# Allegro board dspeak-v1_00-0b.brd (continued)
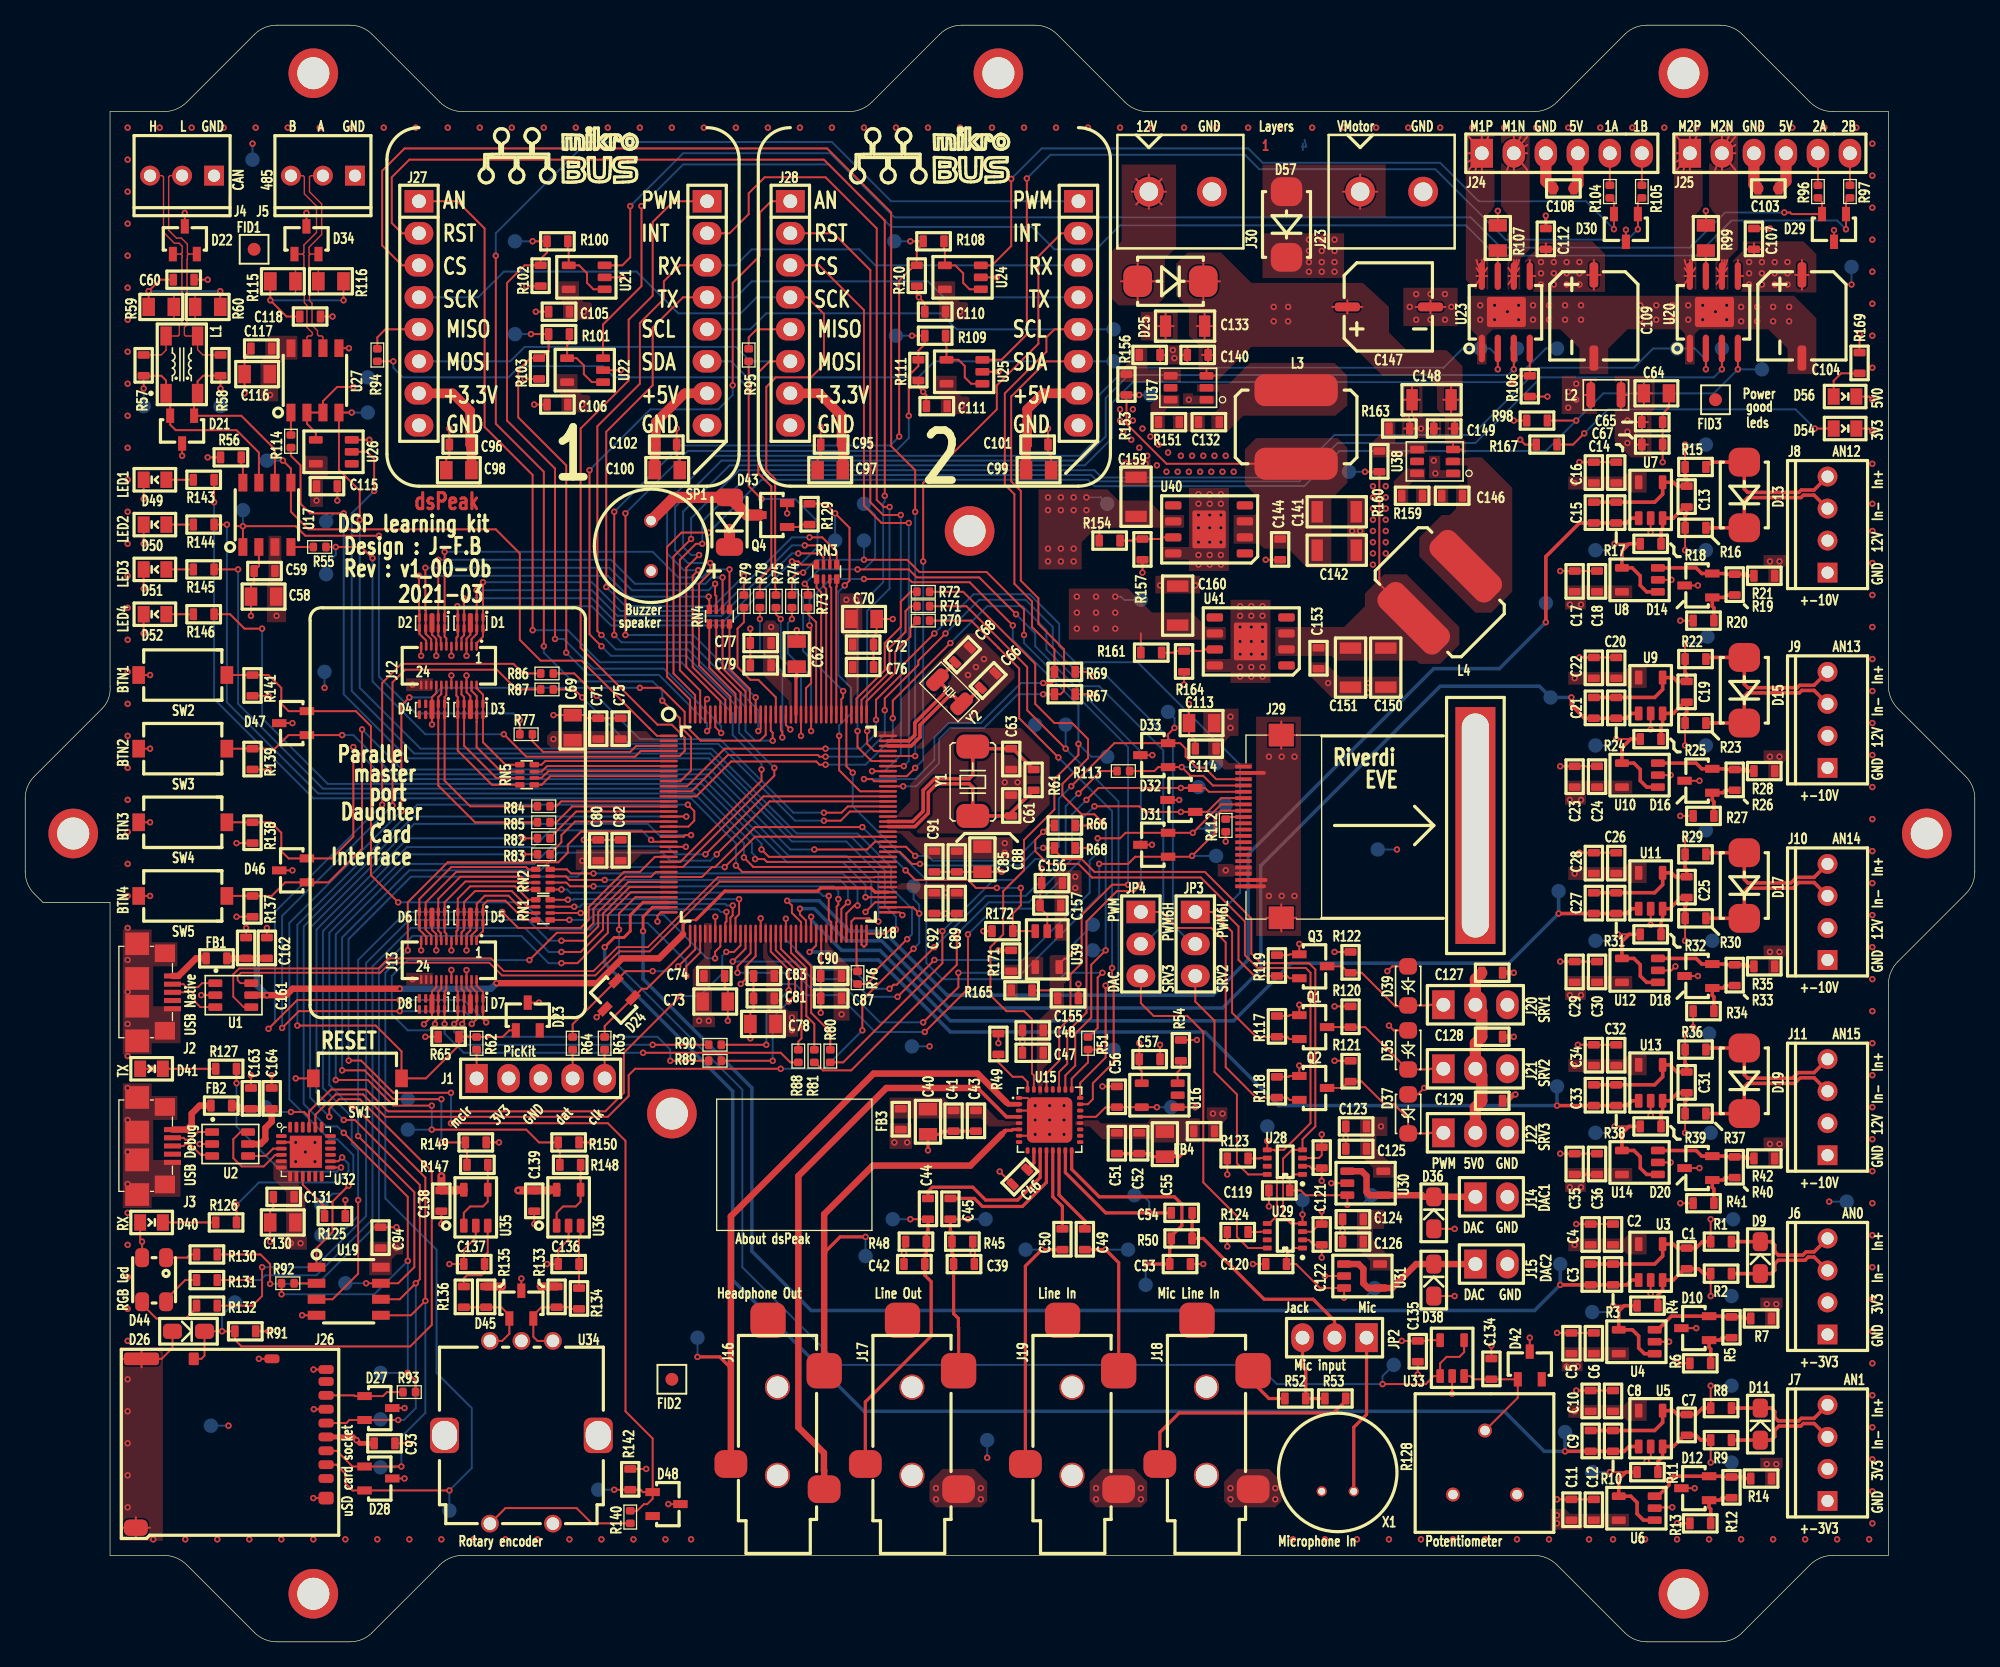
[diagram p0: board, top side]
## Routing (per net, layer and track width the routed paths; a pad name or vN(x,y) marks a point on that pad's centre or on a via; arc(x,y) is an arc through that point) (continued)
  BOTTOM w0.152: v1(59.94,45.47) 63.37,45.47 v1(66.42,48.51) ; v1(70.48,54.99) 70.94,55.44 v1(70.94,57.78) 70.94,58.48 70.48,58.93 TP71.1
USB_NATIVE_5V0: length 61.1
  TOP w0.152: 52.2,56.9 52.58,57.28 53.21,57.28
  TOP w0.254: 53.21,57.28 55.5,59.56 62.87,59.56 63.12,59.82 67.09,59.82 67.43,59.48 U18.77 ; 52.2,56.9 52.2,56.13
  TOP w0.508: U1.5 v1(19.18,51.31) 20.7,51.31 21.21,51.82 v1(29.72,51.82) ; FB1.2 C161.1 v1(18.38,54.23) C162.1 ; v1(37.4,52.26) 45.4,52.26 47.37,54.23 50.29,54.23 52.2,56.13
  BOTTOM w0.508: v1(37.4,52.26) 36.96,51.82 v1(29.72,51.82) ; v1(19.18,51.31) 18.38,52.11 v1(18.38,54.23)
USB_NATIVE_D+: length 4.2
  TOP w0.14: J2.3 12.58,51.53 12.65,51.6 13.17,51.6 13.46,51.31 13.46,50.8 13.9,50.36 U1.3
USB_NATIVE_D+_MCU: length 59.5
  TOP w0.14: U18.80 67.42,60.68 67.39,60.65 54.94,60.65 49.4,55.12 46.99,55.12 45.09,53.21 37.97,53.21 36.96,54.23 28.83,54.23 28.03,53.43 16.98,53.43 16.51,52.96 16.51,51.18 17.33,50.36 U1.4
USB_NATIVE_D-: length 3.6
  TOP w0.14: J2.2 12.56,52.18 12.79,51.94 13.72,51.94 14.03,52.26 U1.1
USB_NATIVE_D-_MCU: length 57.1
  TOP w0.14: U18.79 67.42,60.28 67.39,60.31 55.08,60.31 49.55,54.78 47.13,54.78 45.23,52.87 37.83,52.87 36.81,53.89 28.97,53.89 28.17,53.09 17.12,53.09 16.85,52.82 16.85,52.49 17.08,52.26 U1.6
USB_UART_5V0: length 7.4
  TOP w0.508: FB2.2 16.8,42.54 17.05,42.29 C163.1 C164.1 19.56,41.27 19.05,40.77 19.05,39.88 18.67,39.5 17.68,39.5
USB_UART_D+: length 3.6
  TOP w0.152: U2.3 14.73,38.64 13.92,38.64 13.08,39.49 12.71,39.49 12.57,39.34 J3.3
USB_UART_D+_BRIDGE: length 2.9
  TOP w0.152: U2.4 19.08,38.55 19.67,39.13 U32.3
USB_UART_D-: length 3.5
  TOP w0.152: U2.1 13.69,40.45 13.08,39.84 12.71,39.84 12.57,39.99 J3.2
USB_UART_D-_BRIDGE: length 7.4
  TOP w0.152: U2.6 17.08,40.45 16.51,39.88 16.51,38.38 17.17,37.72 18.93,37.72 19.84,38.63 U32.4
VCAP: length 3.8
  TOP w0.254: U18.123 61.15,76.48 61.21,76.54 C62.1
VM: length 14.8
  TOP w0.152: 120,110.49 C112.1 ; C112.1 120.65,110.01 ; C112.1 120.65,110.97 ; C112.1 121.3,110.49 ; 135.89,109.64 U20.5 136.32,108.37 ; C107.1 137.16,110.97 ; C107.1 136.51,110.49 ; C107.1 137.81,110.49 ; C107.1 137.16,110.01 ; 123.93,108.46 C109.1 ; C109.1 124.99,108.46 ; C109.1 124.46,107.28 ; C109.1 124.46,109.64 ; 140.97,107.28 C104.1 ; C104.1 141.5,108.46 ; C104.1 140.97,109.64 ; C104.1 140.44,108.46 ; 119.38,109.64 U23.5 119.81,108.37
  vias: v1(101.85,111.25) v1(101.85,110.36) v1(101.85,109.47) v1(101.85,108.71) v1(102.87,111.25) v1(102.87,110.36) v1(102.87,109.47) v1(102.87,108.71) v1(103.89,111.25) v1(103.89,110.36) v1(103.89,109.47) v1(103.89,108.71) v1(120.27,109.47) v1(120.27,108.59) v1(120.27,107.7) v1(121.28,109.47) v1(121.28,108.59) v1(121.28,107.7) v1(122.3,109.47) v1(122.3,108.59) v1(122.3,107.7) v1(123.32,109.47) v1(123.32,108.59) v1(123.32,107.7) v1(136.78,109.47) v1(136.78,108.59) v1(136.78,107.7) v1(137.79,109.47) v1(137.79,108.59) v1(137.79,107.7) v1(138.81,109.47) v1(138.81,108.59) v1(138.81,107.7) v1(139.83,109.47) v1(139.83,108.59) v1(139.83,107.7)
VRC_PWM6H_UNBUF: length 11.1
  TOP w0.152: U29.1 100.58,31.24 100.08,30.73 C120.1 100.84,29.97 102.74,28.07 U31.3 v1(104.65,27.3)
  BOTTOM w0.152: TP69.1 106.3,27.3 v1(104.65,27.3)
VRC_PWM6L_UNBUF: length 9.9
  TOP w0.152: U28.1 100.58,37.08 100.33,36.83 C119.1 101.22,35.81 101.6,35.43 104.14,35.43 104.15,35.44 U30.3 v1(104.9,34.67)
  BOTTOM w0.152: v1(104.9,34.67) 106.04,34.67 TP68.1
N816136: length 69
  TOP w0.152: U18.19 52.62,64.68 53.09,65.15 53.09,65.91 v1(52.58,66.42) ; D23.1 38.4,48.51 37.88,47.99 R62.2 35.26,47.99 35.24,48.01 R65.2 34.42,47.33 31.79,44.7 SW1.2 29.86,46.85 27.81,48.89 v1(21.59,48.89)
  BOTTOM w0.152: v1(21.59,48.89) 21.59,56.9 31.12,66.42 v1(52.58,66.42)
N817136: length 11.2
  TOP w0.152: U18.37 52.75,55.25 49.32,51.82 48.94,51.82 D24.1 45.97,48.85 R63.2
N817140: length 14.4
  TOP w0.152: v1(49.78,53.21) 47.65,53.21 D24.2 43.43,49 R64.2 ; U18.38 53.15,54.93 v1(51.81,53.59)
  BOTTOM w0.152: v1(49.78,53.21) 51.44,53.21 v1(51.81,53.59)
N830783: length 4.2
  TOP w0.152: U15.32 79.53,44.42 79.12,44.83 78.36,44.83 77.22,45.97 R49.2
N832376: length 5.7
  TOP w0.152: v1(85.22,46.99) R51.1 84.33,45.97 83.03,44.68 U15.25
  BOTTOM w0.152: v1(85.22,46.99) TP30.1
N832416: length 9.1
  TOP w0.152: U18.109 66.75,74.63 69.02,76.9 69.02,78.55 70.23,79.76 70.23,80.45 70.76,80.98 R70.2
N833767: length 7.5
  TOP w0.152: v1(89.79,42.42) U16.5 C56.1 85.79,42.42 arc(85.73,42.41) 85.68,42.37 85,41.7 arc(84.95,41.66) 84.9,41.65 U15.21
  BOTTOM w0.152: v1(89.79,42.42) TP33.1
N833906: length 12.9
  TOP w0.152: R78.2 v1(58.29,81.15) ; U18.126 59.95,72.33 60.07,72.21 v1(60.07,71.76)
  BOTTOM w0.152: v1(58.29,81.15) 58.29,78.74 60.07,76.96 v1(60.07,71.76)
N834178: length 10.3
  TOP w0.152: R80.2 63.88,48.39 62.36,49.91 62.36,53.59 61.15,54.8 U18.58
N834219: length 10
  TOP w0.152: R81.2 62.61,49.02 61.98,49.66 61.98,53.47 60.75,54.69 U18.57
N834776: length 1.7
  TOP w0.254: U15.10 80.03,37.99 C46.1
N834834: length 12.9
  TOP w0.254: C44.2 71.63,35.73 71.96,36.07 75.18,36.07 76.2,35.05 78.74,35.05 80.53,36.84 U15.11
N834843: length 11.2
  TOP w0.254: U15.12 81.03,38.47 81.03,38.47 81.03,36.45 79.12,34.54 75.95,34.54 75.31,35.18 C45.2
N834852: length 6.5
  TOP w0.254: U15.13 81.53,35.31 82.3,34.54 C50.1
N834861: length 7.1
  TOP w0.254: U15.14 82.03,35.44 84.07,33.4 C49.1
N835069: length 13.7
  TOP w0.254: U15.15 82.53,37.23 85.72,34.04 v1(89.18,34.04) C54.1
  BOTTOM w0.152: TP35.1 88.66,35.43 89.18,34.91 v1(89.18,34.04)
N835079: length 20.1
  TOP w0.152: 90.93,32.18 R50.1
  TOP w0.254: U15.16 83.03,37.49 85.22,35.31 91.19,35.31 91.77,34.72 91.77,33.02 90.93,32.18 ; v1(88.9,29.97) C53.2 90.8,31.2 90.93,31.33 R50.1
  BOTTOM w0.152: v1(88.9,29.97) TP36.1
N835155: length 11.9
  TOP w0.152: U18.3 48.48,71.08 48.01,70.61 41.09,70.61 40.24,71.46 R77.2
N835215: length 10.8
  TOP w0.152: RN5.8 40.97,69.6 41.26,69.88 U18.6
N835239: length 10.8
  TOP w0.152: U18.7 41.41,69.48 40.97,69.05 RN5.7
N835264: length 10.9
  TOP w0.152: RN5.6 40.97,68.55 41.51,69.08 U18.8
N835290: length 10.9
  TOP w0.152: U18.9 41.66,68.68 40.97,68 RN5.5
N835370: length 9.6
  TOP w0.152: R84.2 42.14,66.29 42.53,66.68 U18.14
N835374: length 9.9
  TOP w0.152: R85.2 42.14,65.02 43.4,66.28 U18.15
N835448: length 16.8
  TOP w0.152: v1(54.74,54.23) 54.74,54.75 55.15,55.17 U18.43 ; RN1.1 v1(43.18,57.28)
  BOTTOM w0.152: v1(43.18,57.28) 44.7,57.28 45.09,57.66 50.67,57.66 54.1,54.23 v1(54.74,54.23)
N835458: length 15.9
  TOP w0.152: v1(55.64,57.91) 55.64,57.15 55.55,57.07 U18.44 ; v1(44.07,57.83) RN1.2
  BOTTOM w0.152: v1(55.64,57.91) 55.18,57.91 54.98,58.11 44.81,58.11 44.53,57.83 v1(44.07,57.83)
N835468: length 16.9
  TOP w0.152: v1(56.13,58.42) 56.13,57.65 55.95,57.47 U18.45 ; RN1.3 v1(43.56,58.33)
  BOTTOM w0.152: v1(56.13,58.42) 55.68,58.42 55.55,58.55 44.24,58.55 44.02,58.33 v1(43.56,58.33)
N835472: length 17.9
  TOP w0.152: U18.46 56.35,57.44 56.64,57.72 v1(56.64,58.93) ; RN1.4 v1(43.05,58.88)
  BOTTOM w0.152: v1(56.64,58.93) 43.56,58.93 43.51,58.88 v1(43.05,58.88)
N835588: length 13.7
  TOP w0.152: v1(60.58,51.69) 60.58,53.34 59.15,54.76 U18.53 ; v1(58.8,47.37) R90.2
  BOTTOM w0.152: v1(58.8,47.37) 58.8,49.91 v1(60.58,51.69)
N835695: length 25.4
  TOP w0.152: U18.65 63.95,57.11 63.75,57.31 v1(63.75,59.18) ; v1(42.55,59.69) RN2.1
  BOTTOM w0.152: v1(42.55,59.69) 43,59.69 43.26,59.44 63.04,59.44 63.3,59.18 v1(63.75,59.18)
N835705: length 26.6
  TOP w0.152: U18.66 64.35,57.11 64.38,57.14 64.38,58.34 64.52,58.47 v1(64.52,58.93) ; v1(45.09,59.94) 43.23,59.94 42.93,60.24 RN2.2
  BOTTOM w0.152: v1(45.09,59.94) 64.14,59.94 64.52,59.56 v1(64.52,58.93)
N835715: length 27.9
  TOP w0.152: v1(65.28,58.67) 64.75,58.15 U18.67 ; v1(45.97,60.45) 43.18,60.45 42.89,60.74 RN2.3
  BOTTOM w0.152: v1(45.97,60.45) 64.64,60.45 65.28,59.82 v1(65.28,58.67)
N835719: length 29.1
  TOP w0.152: RN2.4 42.98,61.29 43.3,60.97 v1(45.09,60.97) ; v1(66.04,58.42) 65.79,58.42 65.15,57.79 U18.68
  BOTTOM w0.152: v1(66.04,58.42) 66.04,59.82 64.89,60.97 v1(45.09,60.97)
N835809: length 31.2
  TOP w0.152: v1(63.37,65.15) 64.7,65.15 65.43,65.88 U18.93 ; v1(44.2,74.93) 43.56,75.56 R87.2
  BOTTOM w0.152: v1(44.2,74.93) 47.88,71.25 54.99,71.25 61.09,65.15 v1(63.37,65.15)
N836098: length 10.8
  TOP w0.152: U18.115 64.35,83.71 64.39,83.74 RN3.8
N836108: length 10.8
  TOP w0.152: U18.116 63.95,83.63 63.84,83.74 RN3.7
N836118: length 10.8
  TOP w0.152: RN3.6 63.34,83.74 63.55,83.53 U18.117
N836122: length 10.9
  TOP w0.152: RN3.5 62.79,83.64 63.15,83.28 U18.118
N836194: length 7.9
  TOP w0.152: RN4.8 55.88,77.22 57.5,75.6 57.5,74.57 57.55,74.51 U18.132
N836204: length 7.9
  TOP w0.152: RN4.7 55.33,77.26 57.15,75.43 U18.133
N836214: length 8
  TOP w0.152: U18.134 56.75,75.33 54.83,77.25 RN4.6
N836218: length 8
  TOP w0.152: RN4.5 54.28,77.29 56.35,75.22 U18.135
N838192: length 17.4
  TOP w0.254: 103.89,24.13 103.89,25.48 102.18,27.18 98.3,27.18 93.47,32 R50.2 C54.2
N838411: length 3
  TOP w0.152: R76.2 66.04,53.7 65.95,53.79 U18.70
N839643: length 47.1
  TOP w0.279: 75.56,43.94 77.85,41.65 U15.4
  TOP w0.508: J16.1 63.39,13.59 63.37,13.61 63.37,14.99 61.34,17.02 61.34,36.96 68.33,43.94 75.56,43.94
N839661: length 52.8
  TOP w0.254: v1(53.34,22.61) 55.1,22.61 55.99,21.72
  TOP w0.381: 77.85,42.8 78,42.65 U15.2
  TOP w0.508: 77.85,42.8 75.56,45.08 67.31,45.08 55.99,33.77 J16.3
  BOTTOM w0.152: TP32.1 v1(53.34,22.61)
N839673: length 36
  TOP w0.254: v1(66.67,32.13) 64.66,32.13 63.39,30.86 ; U15.6 78.35,40.65 78.28,40.58 77.79,40.58 77.72,40.51
  TOP w0.381: 77.72,40.51 77.47,40.26
  TOP w0.508: J16.2 63.39,33.93 67.25,37.78 74.99,37.78 77.47,40.26
  BOTTOM w0.152: v1(66.67,32.13) TP34.1
N840038: length 24.7
  TOP w0.152: C44.1 v1(70.23,33.53)
  TOP w0.254: C44.1 71.63,32.61 71.5,32.48 R48.2 71.5,30.83 71.37,30.7 C42.1 71.37,29.08 71.88,28.57 71.88,24.26 66.66,19.03 J17.3
  BOTTOM w0.152: v1(70.23,33.53) TP37.1
N840050: length 15.1
  TOP w0.152: C45.1 v1(74.8,33.53)
  TOP w0.254: J17.2 74.06,24.94 74.04,24.96 74.04,25.65 73.66,26.04 C39.1 73.66,30.7 73.53,30.83 R45.2 73.53,32.48 73.41,32.61 C45.1
  BOTTOM w0.152: v1(74.8,33.53) TP38.1
N840869: length 12.6
  TOP w0.254: X1.1 105.41,17.02 106.43,18.03 JP2.1
N841249: length 12
  TOP w0.152: U18.120 v1(62.35,72.27) ; v1(60.83,81.15) R74.2
  BOTTOM w0.152: v1(62.35,72.27) 62.35,76.58 60.51,78.43 60.51,80.83 v1(60.83,81.15)
N841340: length 8.7
  TOP w0.152: U18.119 62.75,80.9 62.1,81.55 R73.2
N841348: length 12.7
  TOP w0.152: R75.2 59.56,81.53 v1(59.94,81.15) ; U18.122 v1(61.55,71.88)
  BOTTOM w0.152: v1(59.94,81.15) 59.94,78.11 61.55,76.49 v1(61.55,71.88)
N841430: length 2.3
  TOP w0.152: J1.1 R62.1
N841434: length 2.3
  TOP w0.152: 43.43,44.7 R64.1
N841452: length 2.3
  TOP w0.152: 45.97,44.7 R63.1
N841543: length 10.3
  TOP w0.152: U18.16 43.72,65.88 41.64,63.8 R82.2
N841561: length 10.9
  TOP w0.152: R83.2 41.64,62.53 42.55,63.44 42.55,64.01 43.62,65.08 U18.18
N843121: length 10.3
  TOP w0.152: R79.2 57.02,80.9 56.52,80.39 56.52,77.34 57.53,76.33 58.17,76.33 59.55,74.94 U18.127
N843340: length 12
  TOP w0.152: U18.111 65.95,74.84 68.2,77.09 68.2,79.25 69.47,80.52 69.47,82.53 70.25,83.31 R72.2
N843655: length 10.7
  TOP w0.152: R71.2 70.23,82.17 69.85,81.79 69.85,80.14 68.58,78.87 68.58,76.96 66.35,74.74 U18.110
N852175: length 4.2
  TOP w0.152: D40.1 R126.2
N852179: length 4.2
  TOP w0.152: D41.1 R127.2
N983415: length 2.1
  TOP w0.152: U17.8 17.27,93.17 17.14,93.3 R56.2
N985250: length 11.7
  TOP w0.152: v1(25.26,106.44) R116.2 ; C118.2 20.73,105.16 v1(19.45,106.44) R115.1
  BOTTOM w0.152: v1(19.45,106.44) v1(25.26,106.44)
N985953: length 9
  TOP w0.152: v1(26.03,99.57) 24.75,99.57 23.62,98.44 U27.3 U27.2 22.35,96.65 23.06,95.94 U26.4
  BOTTOM w0.152: TP66.1 26.42,99.57 v1(26.03,99.57)
N986060: length 1.8
  TOP w0.152: U27.1 R114.1
N986622: length 1.5
  TOP w0.152: U28.6 97.99,38.38 97.96,38.35 R123.1
N986732: length 1.5
  TOP w0.152: U29.6 97.99,32.54 97.96,32.51 R124.1
N989120: length 19
  TOP w0.152: JP3.3 92.84,50.8 94.36,49.28 94.36,45.21 96.14,43.43 96.14,37.97 97.03,37.08 U28.8
N994548: length 12.6
  TOP w0.152: J29.4 94.23,67.94 93.47,68.71 92.46,68.71 v1(91.76,69.4) D33.1 89.9,69.4 89.59,69.09 R113.1
  BOTTOM w0.152: v1(91.76,69.4) 93.52,69.4 93.84,69.72 TP99.1
N996104: length 20.5
  TOP w0.152: v1(80.64,31.12) 80.66,31.12
  TOP w0.254: J19.3 79.36,29.82 80.66,31.12 C50.2
  BOTTOM w0.152: v1(80.64,31.12) TP40.1
N996116: length 13.5
  TOP w0.254: J19.2 86.76,30.08 v1(85.72,31.12) C49.2
  BOTTOM w0.152: v1(85.72,31.12) TP39.1
N997070: length 6.2
  TOP w0.152: U35.1 34.8,34.04 35.31,34.54 36.32,34.54 36.7,34.92 U35.4 36.7,36.62 36.7,36.63 R147.2
N997420: length 6.2
  TOP w0.152: U36.1 42.16,34.04 42.67,34.54 43.69,34.54 44.06,34.92 U36.4 44.06,36.62 44.07,36.63 R148.2
N997666: length 16.2
  TOP w0.152: Q1.2 100.32,47.82 100.13,48.01 R117.1 97.66,48.01 95.76,49.91 95.76,56.34 94.18,57.91 JP3.1
N999245: length 12.1
  TOP w0.152: U34.5 38.1,10.61 43.75,10.61 44.96,9.4 R140.1
N999350: length 24.6
  TOP w0.152: JP4.1 90.17,57.91 91.44,56.64 94.11,56.64 95.25,55.5 95.25,45.59 97.66,43.18 R118.1 100.13,43.18 100.32,43 Q2.2
N999500: length 1.5
  TOP w0.152: R112.1 95.42,65.44 J29.9
N999996: length 7.1
  TOP w0.152: R136.2 R135.2 37.78,26.54 38.41,25.91 D45.1 38.41,24.44 37.85,23.88 U34.1
N1000001: length 7.3
  TOP w0.152: R134.1 43.26,26.42 43.14,26.54 R133.2 40.95,26.54 40.31,25.91 D45.2 40.31,24.2 40.64,23.88 U34.3
N1000279: length 28.2
  TOP w0.152: U29.8 97.03,31.24 96.14,32.13 96.14,33.78 93.47,36.45 93.47,48.39 92.2,49.66 89.53,49.66 88.52,50.67 JP4.3
N1002337: length 10.5
  TOP w0.152: R60.2 v1(15.48,107.17) ; C60.1 10.7,108.08 v1(9.8,107.17) R59.1
  BOTTOM w0.152: v1(15.48,107.17) v1(9.8,107.17)
N1002357: length 2.1
  TOP w0.152: D52.2 R146.2
N1002361: length 2.1
  TOP w0.152: D51.2 R145.2
N1002365: length 2.1
  TOP w0.152: D50.2 R144.2
N1002369: length 2.1
  TOP w0.152: D49.2 R143.2
N1003044: length 17.5
  TOP w0.152: U17.6 19.81,94.62 17.14,97.28 D21.1 13.4,98.79 L1.2 13.68,100.01 14.12,100.46 R58.2 v1(15.49,99.44)
  BOTTOM w0.152: 15.49,97.92 TP91.1 v1(15.49,99.44)
N1003048: length 18.3
  TOP w0.152: v1(9.4,99.44) R57.2 10.79,100.46 11.18,100.08 L1.1 11.5,98.73 D21.2 11.5,96.58 11.94,96.14 16.76,96.14 18.54,94.36 U17.7
  BOTTOM w0.152: v1(9.4,99.44) TP90.1
N1003420: length 9.5
  TOP w0.152: R128.2 118.42,19.36 D42.1 C134.1 114.93,20.83 114.67,21.08 U33.3
N1004229: length 2.5
  TOP w0.152: R130.2 13.09,30.73 12.83,30.48 D44.1
N1004356: length 3.2
  TOP w0.152: D44.2 11.18,27.18 12.7,28.7 R131.2
N1004427: length 5.5
  TOP w0.152: D44.3 9.28,26.78 10.4,25.65 12.75,25.65 13.59,26.49 R132.2
N1009461: length 1.9
  TOP w0.152: Q4.1 61.36,88.45 61.55,88.65 R129.1
N1009950: length 9.9
  TOP w0.889: Q4.3 57.28,89.4 D43.2 51.5,90.81 SP1.2
N1011168: length 6.5
  TOP w0.254: JP2.3 101.35,21.84 101.6,21.59 R52.1 R53.1
N1013246: length 1.9
  TOP w0.152: U16.3 91.44,45.21 91.69,45.47 91.69,46.1
N1026188: length 4.3
  TOP w0.152: R154.1 87.84,87.38 87.97,87.5 R157.2 90.1,87.5 90.23,87.63 U40.7
N1029131: length 4.3
  TOP w0.152: R161.1 91.14,78.49 91.27,78.61 R164.2 93.4,78.61 93.53,78.74 U41.7
N1032268: length 23.7
  TOP w0.152: v1(123.7,95.89) 122.81,95 R167.2 ; v1(141.99,96.27) D54.2
  BOTTOM w0.152: v1(123.7,95.89) 125.6,97.79 140.46,97.79 v1(141.99,96.27)
N1032500: length 3.5
  TOP w0.152: R169.2 144.08,100.65 143.49,100.05 D56.2
N1059675: length 6.3
  TOP w0.152: J26.7 26.09,19.55 26.15,19.5 D27.1 28.39,19.5 28.7,19.81 R93.1
N1060155: length 1.8
  TOP w0.152: R92.1 U19.2
N1073763: length 4.5
  TOP w0.152: J28.5 58.04,104.14 57.4,103.51 R95.2
N1073775: length 4.5
  TOP w0.152: R94.2 27.94,103.51 28.57,104.14 J27.5
N1079768: length 1.8
  TOP w0.152: U17.4 R55.1
N1117112: length 31.3
  TOP w0.152: v1(63.37,65.79) 64.77,65.79 65.27,66.28 U18.94 ; v1(45.34,75.06) 43.56,76.84 R86.2
  BOTTOM w0.152: v1(63.37,65.79) 60.96,65.79 55.12,71.63 48.77,71.63 v1(45.34,75.06)
N1117153: length 15.5
  TOP w0.152: v1(59.31,46.1) R89.2 ; U18.54 59.55,54.87 61.09,53.34 61.09,51.31 v1(60.58,50.8)
  BOTTOM w0.152: v1(60.58,50.8) 59.31,49.53 v1(59.31,46.1)
N1117172: length 10
  TOP w0.152: R88.2 61.34,47.62 61.59,47.88 61.59,53.34 59.95,54.98 U18.55
N1291882: length 4.2
  TOP w0.254: 97.3,21.64 J18.2 97.43,20.56 98.68,19.3 R52.2
N1291894: length 18.5
  TOP w0.152: R53.2 104.77,19.13
  TOP w0.254: 104.77,19.13 103.81,18.16 91.57,18.16 90.03,16.62 J18.3
N1403399: length 16.6
  TOP w0.152: J30.1 90.17,114.05 ; J30.1 88.14,114.05 ; J30.1 89.15,116.42 ; J30.1 90.17,116.07 ; J30.1 88.14,116.07 ; J30.1 90.51,115.06 ; J30.1 87.8,115.06 ; J30.1 89.15,113.7 ; 86.94,107.95 D25.2 ; D25.2 88.27,109.37 ; D25.2 89.59,107.95 ; D25.2 88.27,106.53
N1460045: length 4.4
  TOP w0.508: J3.1 12.83,40.64 13.21,41.02 13.21,41.91 13.84,42.54 FB2.1
N1462007: length 3.2
  TOP w0.152: FB1.1 14.22,54.23
  TOP w0.508: 14.22,54.23 13.56,54.23 12.16,52.83 J2.1
N1579889: length 5.4
  TOP w0.152: J23.1 105.92,116.42 ; J23.1 107.28,115.06 ; J23.1 105.92,113.7 ; J23.1 104.56,115.06

## Copper pours and planes (outline as drawn; the poured copper is in the pictures)
12V on TOP: 91.31,106.81 91.31,109.35 92.2,110.24 94.87,110.24 97.28,107.82 106.14,107.82 108.2,105.92 108.2,103.89 109.6,102.49 112.78,102.49 114.05,101.22 114.05,95.5 114.3,95.25 114.3,94.23 112.65,94.23 112.65,97.16 112.01,97.79 112.01,99.57 111.12,100.46 107.7,100.46 105.41,102.74 97.28,102.74 94.61,100.08 93.09,100.08 93.09,102.87 92.33,103.63 92.33,105.79
12V on INNER2: 101.22,106.81 102.49,106.81 103.5,105.79 103.5,104.9 102.36,103.76 101.22,103.76
12V on INNER2: 98.17,106.81 98.17,103.76 101.22,103.76 101.22,106.81
AVDD_3V3 on TOP: 138.3,37.59 139.32,37.59 139.32,38.86 139.7,39.24 139.7,40 137.92,40 137.92,39.24 138.3,38.86
AVDD_3V3 on TOP: 127.25,22.35 127.25,23.37 121.92,23.37 121.92,21.46 123.57,21.46 123.57,22.35
AVDD_3V3 on TOP: 127.51,36.58 127.51,37.59 122.17,37.59 122.17,35.69 123.82,35.69 123.82,36.58
AVDD_3V3 on TOP: 108.33,29.46 108.33,30.48 106.93,31.88 106.93,32.77 107.82,32.77 107.82,34.29 105.66,34.29 105.66,31.24 106.68,30.23 106.68,29.46
AVDD_3V3 on TOP: 127.25,9.14 127.25,10.16 122.55,10.16 122.17,10.54 121.03,10.54 121.03,8.89 123.57,8.89 123.57,9.14
AVDD_3V3 on TOP: 127.25,92.84 128.65,92.84 128.65,91.19 127.13,91.19 126.87,91.44 122.43,91.44 122.43,92.46 126.87,92.46
AVDD_3V3 on TOP: 127.51,51.82 127.51,52.83 122.17,52.83 122.17,50.93 123.82,50.93 123.82,51.82
AVDD_3V3 on TOP: 126.11,100.46 129.29,100.46 129.29,97.79 129.03,97.54 129.03,93.98 127.38,93.98 126.11,95.25
AVDD_3V3 on TOP: 127.25,77.34 128.65,77.34 128.65,75.69 127.13,75.69 126.87,75.95 122.43,75.95 122.43,76.96 126.87,76.96
AVDD_3V3 on TOP: 138.3,83.82 139.32,83.82 139.32,85.09 139.7,85.47 139.7,86.23 137.92,86.23 137.92,85.47 138.3,85.09
AVDD_3V3 on TOP: 127.25,61.85 128.65,61.85 128.65,60.2 127.13,60.2 126.87,60.45 122.43,60.45 122.43,61.47 126.87,61.47
AVDD_3V3 on TOP: 108.58,36.83 108.58,37.72 107.19,39.12 107.19,40.13 108.08,40.13 108.08,41.66 105.92,41.66 105.92,38.61 106.93,37.59 106.93,36.83
AVDD_3V3 on TOP: 138.05,12.19 139.06,12.19 139.06,13.46 139.45,13.84 139.45,14.61 137.67,14.61 137.67,13.84 138.05,13.46
AVDD_3V3 on TOP: 127.25,19.18 128.65,19.18 128.65,17.53 127.13,17.53 126.87,17.78 122.43,17.78 122.43,18.8 126.87,18.8
AVDD_3V3 on TOP: 127.25,46.61 128.65,46.61 128.65,44.96 127.13,44.96 126.87,45.21 122.43,45.21 122.43,46.23 126.87,46.23
AVDD_3V3 on TOP: 53.85,57.02 54.48,57.02 54.48,54.99 54.36,54.86 54.36,51.82 54.48,51.69 54.48,49.78 54.74,49.53 54.74,48.77 52.96,48.77 52.96,53.34 53.85,54.23
AVDD_3V3 on TOP: 138.3,68.33 139.32,68.33 139.32,69.6 139.7,69.98 139.7,70.74 137.92,70.74 137.92,69.98 138.3,69.6
AVDD_3V3 on TOP: 68.58,39.12 70.36,39.12 70.36,41.15 68.58,41.15
AVDD_3V3 on TOP: 127.51,67.31 127.51,68.33 122.17,68.33 122.17,66.42 123.82,66.42 123.82,67.31
AVDD_3V3 on TOP: 127.25,32.38 128.65,32.38 128.65,30.73 127.13,30.73 126.87,30.99 122.43,30.99 122.43,32 126.87,32
AVDD_3V3 on TOP: 127.51,82.8 127.51,83.82 122.17,83.82 122.17,81.92 123.82,81.92 123.82,82.8
AVDD_3V3 on TOP: 138.05,24.89 139.06,24.89 139.06,26.16 139.45,26.54 139.45,27.3 137.67,27.3 137.67,26.54 138.05,26.16
AVDD_3V3 on TOP: 138.3,52.83 139.32,52.83 139.32,54.1 139.7,54.48 139.7,55.24 137.92,55.24 137.92,54.48 138.3,54.1
AVDD_3V3 on INNER2: 52.96,49.91 54.74,49.91 54.74,48.39 59.31,43.81 56.13,43.81 52.96,46.99
AVDD_3V3 on INNER2: 141.35,97.66 141.35,8.76 108.58,8.76 108.58,29.46 67.44,29.46 56.13,40.77 56.13,43.81 71.75,43.81 79.63,35.94 92.2,35.94 97.92,41.66 109.73,41.66 109.73,37.97 121.16,37.97 121.16,54.23 119.63,55.75 119.63,92.71 123.19,92.71 126.11,95.63 126.11,97.66
DGND on TOP: 91.44,105.54 88.52,105.54 88.52,103.25 91.44,103.25
DGND on TOP: 7.75,44.32 10.03,44.32 10.03,43.31 12.06,43.31 12.06,41.4 10.16,41.4 10.16,38.23 12.32,38.23 12.32,35.31 10.03,35.31 10.03,34.42 7.75,34.42
DGND on TOP: 95.63,77.98 95.63,82.68 98.81,82.68 98.81,76.07 95.63,76.07 95.63,76.96 93.47,76.96 93.47,77.98
DGND on TOP: 104.9,90.81 106.3,90.81 106.3,85.47 104.9,85.47
DGND on TOP: 67.56,72.26 68.71,72.26 69.47,73.03 69.47,74.8 74.68,80.01 75.44,80.01 78.49,76.96 78.49,76.45 74.93,72.9 73.28,72.9 71.25,70.87 67.56,70.87
DGND on TOP: 114.43,106.81 140.34,106.81 142.11,105.03 142.11,100.58 139.83,100.58 139.83,102.62 138.3,104.14 132.84,104.14 132.46,103.76 132.46,101.35 131.7,101.35 131.7,103.76 131.32,104.14 127.13,104.14 125.6,102.62 125.6,100.58 123.32,100.58 123.32,102.62 121.79,104.14 116.46,104.14 115.95,103.63 115.95,101.35 115.19,101.35 115.19,103.63 114.43,104.39
DGND on TOP: 89.79,102.87 92.46,102.87 92.46,101.35 89.79,101.35
DGND on TOP: 92.33,86.87 92.33,91.57 95.5,91.57 95.5,84.96 92.33,84.96 92.33,85.85 90.17,85.85 90.17,86.87
DGND on TOP: 7.49,23.37 7.49,8 10.92,8 10.92,23.37
DGND on TOP: 84.45,12.7 85.47,13.72 88.01,13.72 89.03,12.7 89.03,11.18 88.52,10.67 84.96,10.67 84.45,11.18
DGND on TOP: 109.35,107.44 109.35,104.39 113.66,104.39 113.66,107.44
DGND on TOP: 86.99,91.69 86.99,93.85 89.28,93.85 89.28,91.69
DGND on TOP: 89.66,84.58 89.66,83.19 93.22,83.19 93.22,84.58
DGND on TOP: 97.66,73.41 97.66,56.01 101.22,56.01 101.22,73.41
DGND on TOP: 109.22,99.82 110.87,99.82 110.87,97.16 112.39,97.16 112.39,95.5 109.22,95.5
DGND on TOP: 111.38,94.11 112.27,94.11 112.27,92.96 113.92,92.96 113.92,92.33 111.38,92.33
DGND on TOP: 67.82,65.79 69.34,65.79 70.23,66.67 70.23,68.07 71.25,69.09 71.25,70.23 73.53,72.52 78.99,72.52 81.28,70.23 81.28,66.42 78.99,64.14 70.87,64.14 70.23,64.77 67.82,64.77
DGND on TOP: 71.75,12.7 72.77,13.72 75.31,13.72 76.33,12.7 76.33,11.18 75.82,10.67 72.26,10.67 71.75,11.18
DGND on TOP: 101.85,77.72 103.12,77.72 104.27,76.58 109.09,76.58 109.09,74.93 103.63,74.93 101.85,76.71
DGND on TOP: 95.12,12.7 96.14,13.72 98.68,13.72 99.69,12.7 99.69,11.18 99.19,10.67 95.63,10.67 95.12,11.18
DGND on TOP: 7.75,56.51 10.03,56.51 10.03,55.5 12.06,55.5 12.06,53.59 10.16,53.59 10.16,50.42 12.32,50.42 12.32,47.5 10.03,47.5 10.03,46.61 7.75,46.61
DGND on TOP: 91.82,99.06 92.84,99.06 92.84,98.93 94.36,98.93 94.36,98.17 91.82,98.17
DGND on INNER1: 7.37,120.78 7.37,7.49 147.19,7.49 147.19,120.78
DVDD_1V8 on TOP: 80.26,43.43 80.77,43.43 80.77,45.47 81.28,45.97 81.28,49.02 82.42,50.16 82.42,52.2 82.8,52.58 82.8,54.36 82.68,54.48 81.41,54.48 81.28,54.36 81.28,50.16 80.26,49.15
DVDD_3V3 on TOP: 124.71,100.46 121.92,100.46 121.92,97.41 124.71,97.41
DVDD_3V3 on TOP: 93.85,39.62 93.85,41.4 93.73,41.53 93.73,42.42 95.38,42.42 95.38,41.53 94.87,41.02 94.87,39.62
DVDD_3V3 on TOP: 93.47,74.04 96.27,74.04 96.27,71.88 95.63,71.88 95.12,71.37 95.12,70.1 95.5,69.72 97.41,69.72 97.41,69.22 95.12,69.22 94.49,69.85 94.11,69.85 93.85,70.1 93.85,71.63 93.47,72.01
DVDD_3V3 on TOP: 81.66,61.21 83.82,61.21 83.82,59.31 82.68,59.31 82.68,55.63 81.66,55.63
DVDD_3V3 on TOP: 19.43,103.63 21.59,103.63 21.59,101.73 20.45,101.73 20.07,101.35 20.07,98.42 18.67,98.42 18.67,101.6 19.05,101.98 19.05,103.25
DVDD_3V3 on TOP: 20.83,38.35 19.69,38.35 19.69,36.7 20.7,35.69 20.7,32.26 20.57,32.13 20.57,31.12 22.35,31.12 22.35,32.13 22.23,32.26 22.23,35.43 21.72,35.94 21.72,37.46 20.83,37.46
DVDD_3V3 on TOP: 19.3,87.76 20.32,87.76 20.32,84.07 20.7,83.69 20.7,80.9 19.18,80.9 19.18,83.95 19.3,84.07
DVDD_3V3 on TOP: 94.61,61.72 97.41,61.72 97.41,60.71 94.61,60.71
DVDD_3V3 on TOP: 65.41,72.77 65.79,72.77 65.79,75.06 66.17,75.44 66.17,79.88 66.42,80.14 66.42,83.19 64.64,83.19 64.64,80.14 65.15,79.63 65.15,75.95 65.41,75.69
DVDD_3V3 on TOP: 43.69,62.86 51.82,62.86 51.82,62.48 48.9,62.48 47.62,61.21 43.69,61.21
DVDD_3V3 on TOP: 60.58,72.77 60.96,72.77 60.96,75.95 59.82,77.09 59.82,81.03 58.55,81.03 58.55,76.71 60.58,74.68
DVDD_3V3 on TOP: 32.38,76.45 32.38,75.44 30.23,75.44 30.23,76.45
DVDD_3V3 on TOP: 63.37,57.02 63.75,57.02 63.75,55.24 65.41,53.59 65.41,49.28 64.14,49.28 64.14,53.72 63.37,54.48
DVDD_3V3 on TOP: 58.55,57.02 58.93,57.02 58.93,54.48 60.07,53.34 60.07,50.55 60.58,50.04 61.34,50.04 61.34,48.01 58.8,48.01 58.8,53.97 58.55,54.23
